# Allegro board LED_FIN.brd (continued)
## Routing (per net, layer and track width the routed paths; a pad name or vN(x,y) marks a point on that pad's centre or on a via; arc(x,y) is an arc through that point) (continued)
COL_OUT_B30: length 244.9
  TOP w0.15: D7890.1 v1(217.25,248.8) ; D7950.1 v1(217.25,244.8) ; D7560.1 v1(217.25,270.8) ; D7800.1 v1(217.25,254.8) ; D7350.1 v1(217.25,284.8) ; D7230.1 v1(217.25,292.8) ; D7050.1 v1(217.25,304.8) ; D7530.1 v1(217.25,272.8) ; D7920.1 v1(217.25,246.8) ; v1(216.55,128.8) 216.55,129.3 216.77,129.52 216.77,132.08 216.55,132.3 v1(216.55,132.8) ; D7170.1 v1(217.25,296.8) ; D6900.1 v1(217.25,314.8) ; D7290.1 v1(217.25,288.8) ; D7620.1 v1(217.25,266.8) ; D6930.1 v1(217.25,312.8) ; D7860.1 v1(217.25,250.8) ; D7020.1 v1(217.25,306.8) ; D7770.1 v1(217.25,256.8) ; D6990.1 v1(217.25,308.8) ; D7110.1 v1(217.25,300.8) ; D7710.1 v1(217.25,260.8) ; D7410.1 v1(217.25,280.8) ; D7440.1 v1(217.25,278.8) ; D6960.1 v1(217.25,310.8) ; D7740.1 v1(217.25,258.8) ; D7140.1 v1(217.25,298.8) ; D6870.1 v1(217.25,316.8) ; v1(216.55,99.8) R210.1 ; D7590.1 v1(217.25,268.8) ; D7260.1 v1(217.25,290.8) ; D7080.1 v1(217.25,302.8) ; D7680.1 v1(217.25,262.8) ; D7500.1 v1(217.25,274.8) ; D7320.1 v1(217.25,286.8) ; D7200.1 v1(217.25,294.8) ; D7650.1 v1(217.25,264.8) ; D7830.1 v1(217.25,252.8) ; D7380.1 v1(217.25,282.8) ; D7470.1 v1(217.25,276.8) ; D7980.1 v1(217.25,242.8)
  BOTTOM w0.15: v1(216.55,132.8) 216.55,242.1 v1(217.25,242.8) v1(217.25,244.8) v1(217.25,246.8) v1(217.25,248.8) v1(217.25,250.8) v1(217.25,252.8) v1(217.25,254.8) v1(217.25,256.8) v1(217.25,258.8) v1(217.25,260.8) v1(217.25,262.8) v1(217.25,264.8) v1(217.25,266.8) v1(217.25,268.8) v1(217.25,270.8) v1(217.25,272.8) v1(217.25,274.8) v1(217.25,276.8) v1(217.25,278.8) v1(217.25,280.8) v1(217.25,282.8) v1(217.25,284.8) v1(217.25,286.8) v1(217.25,288.8) v1(217.25,290.8) v1(217.25,292.8) v1(217.25,294.8) v1(217.25,296.8) v1(217.25,298.8) v1(217.25,300.8) v1(217.25,302.8) v1(217.25,304.8) v1(217.25,306.8) v1(217.25,308.8) v1(217.25,310.8) v1(217.25,312.8) v1(217.25,314.8) v1(217.25,316.8) ; v1(216.55,128.8) v1(216.55,99.8)
COL_OUT_B31: length 244.9
  TOP w0.15: D7859.1 v1(215.25,250.8) ; D7709.1 v1(215.25,260.8) ; D7439.1 v1(215.25,278.8) ; D7619.1 v1(215.25,266.8) ; D7259.1 v1(215.25,290.8) ; D7349.1 v1(215.25,284.8) ; D7049.1 v1(215.25,304.8) ; D6959.1 v1(215.25,310.8) ; D7499.1 v1(215.25,274.8) ; D7829.1 v1(215.25,252.8) ; D7529.1 v1(215.25,272.8) ; D7139.1 v1(215.25,298.8) ; D7409.1 v1(215.25,280.8) ; D7739.1 v1(215.25,258.8) ; D7649.1 v1(215.25,264.8) ; D7589.1 v1(215.25,268.8) ; D7679.1 v1(215.25,262.8) ; D6929.1 v1(215.25,312.8) ; D6869.1 v1(215.25,316.8) ; D7979.1 v1(215.25,242.8) ; D7169.1 v1(215.25,296.8) ; D7559.1 v1(215.25,270.8) ; D7379.1 v1(215.25,282.8) ; D7319.1 v1(215.25,286.8) ; D6989.1 v1(215.25,308.8) ; D7949.1 v1(215.25,244.8) ; v1(214.55,99.8) R209.1 ; D7769.1 v1(215.25,256.8) ; D7019.1 v1(215.25,306.8) ; D7919.1 v1(215.25,246.8) ; D7799.1 v1(215.25,254.8) ; D7469.1 v1(215.25,276.8) ; D7889.1 v1(215.25,248.8) ; D7109.1 v1(215.25,300.8) ; D7079.1 v1(215.25,302.8) ; D6899.1 v1(215.25,314.8) ; D7199.1 v1(215.25,294.8) ; D7229.1 v1(215.25,292.8) ; D7289.1 v1(215.25,288.8)
  BOTTOM w0.15: v1(214.55,99.8) 214.55,100.3 214.3,100.55 214.3,132.55 214.55,132.8 214.55,242.1 v1(215.25,242.8) v1(215.25,244.8) v1(215.25,246.8) v1(215.25,248.8) v1(215.25,250.8) v1(215.25,252.8) v1(215.25,254.8) v1(215.25,256.8) v1(215.25,258.8) v1(215.25,260.8) v1(215.25,262.8) v1(215.25,264.8) v1(215.25,266.8) v1(215.25,268.8) v1(215.25,270.8) v1(215.25,272.8) v1(215.25,274.8) v1(215.25,276.8) v1(215.25,278.8) v1(215.25,280.8) v1(215.25,282.8) v1(215.25,284.8) v1(215.25,286.8) v1(215.25,288.8) v1(215.25,290.8) v1(215.25,292.8) v1(215.25,294.8) v1(215.25,296.8) v1(215.25,298.8) v1(215.25,300.8) v1(215.25,302.8) v1(215.25,304.8) v1(215.25,306.8) v1(215.25,308.8) v1(215.25,310.8) v1(215.25,312.8) v1(215.25,314.8) v1(215.25,316.8)
COL_OUT_B32: length 245
  TOP w0.15: D7318.1 v1(213.25,286.8) ; D7978.1 v1(213.25,242.8) ; D7618.1 v1(213.25,266.8) ; D7828.1 v1(213.25,252.8) ; v1(212.55,128.8) 212.96,129.21 212.96,132.39 v1(212.55,132.8) ; D7948.1 v1(213.25,244.8) ; D7888.1 v1(213.25,248.8) ; D7768.1 v1(213.25,256.8) ; D7168.1 v1(213.25,296.8) ; D7258.1 v1(213.25,290.8) ; D7468.1 v1(213.25,276.8) ; D6988.1 v1(213.25,308.8) ; D7708.1 v1(213.25,260.8) ; D7498.1 v1(213.25,274.8) ; D6928.1 v1(213.25,312.8) ; D7018.1 v1(213.25,306.8) ; D7438.1 v1(213.25,278.8) ; D7288.1 v1(213.25,288.8) ; D7558.1 v1(213.25,270.8) ; D7528.1 v1(213.25,272.8) ; D7228.1 v1(213.25,292.8) ; D7078.1 v1(213.25,302.8) ; D7108.1 v1(213.25,300.8) ; D7738.1 v1(213.25,258.8) ; D7408.1 v1(213.25,280.8) ; v1(212.55,99.8) R208.1 ; D7348.1 v1(213.25,284.8) ; D6898.1 v1(213.25,314.8) ; D6958.1 v1(213.25,310.8) ; D7798.1 v1(213.25,254.8) ; D7648.1 v1(213.25,264.8) ; D7588.1 v1(213.25,268.8) ; D7198.1 v1(213.25,294.8) ; D7678.1 v1(213.25,262.8) ; D7378.1 v1(213.25,282.8) ; D7918.1 v1(213.25,246.8) ; D7858.1 v1(213.25,250.8) ; D7138.1 v1(213.25,298.8) ; D6868.1 v1(213.25,316.8) ; D7048.1 v1(213.25,304.8)
  BOTTOM w0.15: v1(212.55,128.8) v1(212.55,99.8) ; v1(213.25,316.8) v1(213.25,314.8) v1(213.25,312.8) v1(213.25,310.8) v1(213.25,308.8) v1(213.25,306.8) v1(213.25,304.8) v1(213.25,302.8) v1(213.25,300.8) v1(213.25,298.8) v1(213.25,296.8) v1(213.25,294.8) v1(213.25,292.8) v1(213.25,290.8) v1(213.25,288.8) v1(213.25,286.8) v1(213.25,284.8) v1(213.25,282.8) v1(213.25,280.8) v1(213.25,278.8) v1(213.25,276.8) v1(213.25,274.8) v1(213.25,272.8) v1(213.25,270.8) v1(213.25,268.8) v1(213.25,266.8) v1(213.25,264.8) v1(213.25,262.8) v1(213.25,260.8) v1(213.25,258.8) v1(213.25,256.8) v1(213.25,254.8) v1(213.25,252.8) v1(213.25,250.8) v1(213.25,248.8) v1(213.25,246.8) v1(213.25,244.8) v1(213.25,242.8) 212.55,242.1 v1(212.55,132.8)
COL_OUT_B33: length 244.7
  TOP w0.15: D6897.1 v1(211.25,314.8) ; D7197.1 v1(211.25,294.8) ; D7587.1 v1(211.25,268.8) ; D6987.1 v1(211.25,308.8) ; D7797.1 v1(211.25,254.8) ; D7137.1 v1(211.25,298.8) ; D6867.1 v1(211.25,316.8) ; D7887.1 v1(211.25,248.8) ; D7437.1 v1(211.25,278.8) ; D7557.1 v1(211.25,270.8) ; D7047.1 v1(211.25,304.8) ; D7257.1 v1(211.25,290.8) ; D7287.1 v1(211.25,288.8) ; D7347.1 v1(211.25,284.8) ; D7017.1 v1(211.25,306.8) ; D7377.1 v1(211.25,282.8) ; D7407.1 v1(211.25,280.8) ; D7107.1 v1(211.25,300.8) ; D7737.1 v1(211.25,258.8) ; D7677.1 v1(211.25,262.8) ; D7707.1 v1(211.25,260.8) ; D7827.1 v1(211.25,252.8) ; D7647.1 v1(211.25,264.8) ; D7497.1 v1(211.25,274.8) ; D7467.1 v1(211.25,276.8) ; D7617.1 v1(211.25,266.8) ; D7077.1 v1(211.25,302.8) ; D7317.1 v1(211.25,286.8) ; D7977.1 v1(211.25,242.8) ; D7857.1 v1(211.25,250.8) ; D7947.1 v1(211.25,244.8) ; D7767.1 v1(211.25,256.8) ; D6927.1 v1(211.25,312.8) ; D7527.1 v1(211.25,272.8) ; v1(210.55,99.8) R207.1 ; D6957.1 v1(211.25,310.8) ; D7917.1 v1(211.25,246.8) ; D7227.1 v1(211.25,292.8) ; D7167.1 v1(211.25,296.8)
  BOTTOM w0.15: v1(210.55,99.8) 210.49,99.86 210.49,242.04 v1(211.25,242.8) v1(211.25,244.8) v1(211.25,246.8) v1(211.25,248.8) v1(211.25,250.8) v1(211.25,252.8) v1(211.25,254.8) v1(211.25,256.8) v1(211.25,258.8) v1(211.25,260.8) v1(211.25,262.8) v1(211.25,264.8) v1(211.25,266.8) v1(211.25,268.8) v1(211.25,270.8) v1(211.25,272.8) v1(211.25,274.8) v1(211.25,276.8) v1(211.25,278.8) v1(211.25,280.8) v1(211.25,282.8) v1(211.25,284.8) v1(211.25,286.8) v1(211.25,288.8) v1(211.25,290.8) v1(211.25,292.8) v1(211.25,294.8) v1(211.25,296.8) v1(211.25,298.8) v1(211.25,300.8) v1(211.25,302.8) v1(211.25,304.8) v1(211.25,306.8) v1(211.25,308.8) v1(211.25,310.8) v1(211.25,312.8) v1(211.25,314.8) v1(211.25,316.8)
COL_OUT_B34: length 245.2
  TOP w0.15: D7496.1 v1(209.25,274.8) ; D7556.1 v1(209.25,270.8) ; D7256.1 v1(209.25,290.8) ; D7646.1 v1(209.25,264.8) ; D7886.1 v1(209.25,248.8) ; D7406.1 v1(209.25,280.8) ; D7226.1 v1(209.25,292.8) ; D7196.1 v1(209.25,294.8) ; D6926.1 v1(209.25,312.8) ; D7376.1 v1(209.25,282.8) ; D7706.1 v1(209.25,260.8) ; D7436.1 v1(209.25,278.8) ; D7676.1 v1(209.25,262.8) ; D7136.1 v1(209.25,298.8) ; D6956.1 v1(209.25,310.8) ; D7946.1 v1(209.25,244.8) ; D7286.1 v1(209.25,288.8) ; D7796.1 v1(209.25,254.8) ; D7166.1 v1(209.25,296.8) ; D7466.1 v1(209.25,276.8) ; D6896.1 v1(209.25,314.8) ; D7346.1 v1(209.25,284.8) ; D7526.1 v1(209.25,272.8) ; D7046.1 v1(209.25,304.8) ; D7106.1 v1(209.25,300.8) ; v1(208.55,99.8) R206.1 ; D7976.1 v1(209.25,242.8) ; D7856.1 v1(209.25,250.8) ; D7916.1 v1(209.25,246.8) ; D7076.1 v1(209.25,302.8) ; D7316.1 v1(209.25,286.8) ; D6866.1 v1(209.25,316.8) ; D7766.1 v1(209.25,256.8) ; D7826.1 v1(209.25,252.8) ; D7016.1 v1(209.25,306.8) ; D7616.1 v1(209.25,266.8) ; D7586.1 v1(209.25,268.8) ; D6986.1 v1(209.25,308.8) ; D7736.1 v1(209.25,258.8)
  BOTTOM w0.15: v1(208.55,99.8) 207.95,100.4 207.95,131.75 208.55,132.35 208.55,242.1 v1(209.25,242.8) v1(209.25,244.8) v1(209.25,246.8) v1(209.25,248.8) v1(209.25,250.8) v1(209.25,252.8) v1(209.25,254.8) v1(209.25,256.8) v1(209.25,258.8) v1(209.25,260.8) v1(209.25,262.8) v1(209.25,264.8) v1(209.25,266.8) v1(209.25,268.8) v1(209.25,270.8) v1(209.25,272.8) v1(209.25,274.8) v1(209.25,276.8) v1(209.25,278.8) v1(209.25,280.8) v1(209.25,282.8) v1(209.25,284.8) v1(209.25,286.8) v1(209.25,288.8) v1(209.25,290.8) v1(209.25,292.8) v1(209.25,294.8) v1(209.25,296.8) v1(209.25,298.8) v1(209.25,300.8) v1(209.25,302.8) v1(209.25,304.8) v1(209.25,306.8) v1(209.25,308.8) v1(209.25,310.8) v1(209.25,312.8) v1(209.25,314.8) v1(209.25,316.8)
COL_OUT_B35: length 244.7
  TOP w0.15: D7825.1 v1(207.25,252.8) ; D7165.1 v1(207.25,296.8) ; D7435.1 v1(207.25,278.8) ; D7525.1 v1(207.25,272.8) ; D7645.1 v1(207.25,264.8) ; D7885.1 v1(207.25,248.8) ; D7075.1 v1(207.25,302.8) ; v1(206.55,132.8) 206.61,132.74 206.61,128.86 v1(206.55,128.8) ; D6895.1 v1(207.25,314.8) ; D7315.1 v1(207.25,286.8) ; D7855.1 v1(207.25,250.8) ; D6925.1 v1(207.25,312.8) ; D7945.1 v1(207.25,244.8) ; D7405.1 v1(207.25,280.8) ; D7975.1 v1(207.25,242.8) ; D7705.1 v1(207.25,260.8) ; D7915.1 v1(207.25,246.8) ; D7735.1 v1(207.25,258.8) ; D7255.1 v1(207.25,290.8) ; D7765.1 v1(207.25,256.8) ; D7555.1 v1(207.25,270.8) ; D7495.1 v1(207.25,274.8) ; D7795.1 v1(207.25,254.8) ; D7045.1 v1(207.25,304.8) ; D7015.1 v1(207.25,306.8) ; D7465.1 v1(207.25,276.8) ; D7225.1 v1(207.25,292.8) ; D6955.1 v1(207.25,310.8) ; D7375.1 v1(207.25,282.8) ; D7285.1 v1(207.25,288.8) ; D7675.1 v1(207.25,262.8) ; D7585.1 v1(207.25,268.8) ; D7105.1 v1(207.25,300.8) ; D7135.1 v1(207.25,298.8) ; D6865.1 v1(207.25,316.8) ; D7345.1 v1(207.25,284.8) ; D6985.1 v1(207.25,308.8) ; v1(206.55,99.8) R205.1 ; D7195.1 v1(207.25,294.8) ; D7615.1 v1(207.25,266.8)
  BOTTOM w0.15: v1(206.55,128.8) v1(206.55,99.8) ; v1(207.25,316.8) v1(207.25,314.8) v1(207.25,312.8) v1(207.25,310.8) v1(207.25,308.8) v1(207.25,306.8) v1(207.25,304.8) v1(207.25,302.8) v1(207.25,300.8) v1(207.25,298.8) v1(207.25,296.8) v1(207.25,294.8) v1(207.25,292.8) v1(207.25,290.8) v1(207.25,288.8) v1(207.25,286.8) v1(207.25,284.8) v1(207.25,282.8) v1(207.25,280.8) v1(207.25,278.8) v1(207.25,276.8) v1(207.25,274.8) v1(207.25,272.8) v1(207.25,270.8) v1(207.25,268.8) v1(207.25,266.8) v1(207.25,264.8) v1(207.25,262.8) v1(207.25,260.8) v1(207.25,258.8) v1(207.25,256.8) v1(207.25,254.8) v1(207.25,252.8) v1(207.25,250.8) v1(207.25,248.8) v1(207.25,246.8) v1(207.25,244.8) v1(207.25,242.8) 206.55,242.1 v1(206.55,132.8)
COL_OUT_B36: length 245
  TOP w0.15: D7494.1 v1(205.25,274.8) ; D7074.1 v1(205.25,302.8) ; D6954.1 v1(205.25,310.8) ; D7374.1 v1(205.25,282.8) ; D6894.1 v1(205.25,314.8) ; D7614.1 v1(205.25,266.8) ; D7254.1 v1(205.25,290.8) ; D7584.1 v1(205.25,268.8) ; D7464.1 v1(205.25,276.8) ; D7824.1 v1(205.25,252.8) ; D7704.1 v1(205.25,260.8) ; D7164.1 v1(205.25,296.8) ; D6984.1 v1(205.25,308.8) ; D7884.1 v1(205.25,248.8) ; D7734.1 v1(205.25,258.8) ; D7044.1 v1(205.25,304.8) ; D7224.1 v1(205.25,292.8) ; D7674.1 v1(205.25,262.8) ; v1(204.55,99.8) R204.1 ; D7104.1 v1(205.25,300.8) ; D7404.1 v1(205.25,280.8) ; D7014.1 v1(205.25,306.8) ; D7344.1 v1(205.25,284.8) ; D7794.1 v1(205.25,254.8) ; D7134.1 v1(205.25,298.8) ; D7524.1 v1(205.25,272.8) ; D7764.1 v1(205.25,256.8) ; D7854.1 v1(205.25,250.8) ; D7944.1 v1(205.25,244.8) ; D7194.1 v1(205.25,294.8) ; D7434.1 v1(205.25,278.8) ; D7284.1 v1(205.25,288.8) ; D6924.1 v1(205.25,312.8) ; D7974.1 v1(205.25,242.8) ; D7644.1 v1(205.25,264.8) ; D7914.1 v1(205.25,246.8) ; D6864.1 v1(205.25,316.8) ; D7554.1 v1(205.25,270.8) ; D7314.1 v1(205.25,286.8)
  BOTTOM w0.15: v1(204.55,99.8) 204.14,100.21 204.14,131.75 204.55,132.16 204.55,242.1 v1(205.25,242.8) v1(205.25,244.8) v1(205.25,246.8) v1(205.25,248.8) v1(205.25,250.8) v1(205.25,252.8) v1(205.25,254.8) v1(205.25,256.8) v1(205.25,258.8) v1(205.25,260.8) v1(205.25,262.8) v1(205.25,264.8) v1(205.25,266.8) v1(205.25,268.8) v1(205.25,270.8) v1(205.25,272.8) v1(205.25,274.8) v1(205.25,276.8) v1(205.25,278.8) v1(205.25,280.8) v1(205.25,282.8) v1(205.25,284.8) v1(205.25,286.8) v1(205.25,288.8) v1(205.25,290.8) v1(205.25,292.8) v1(205.25,294.8) v1(205.25,296.8) v1(205.25,298.8) v1(205.25,300.8) v1(205.25,302.8) v1(205.25,304.8) v1(205.25,306.8) v1(205.25,308.8) v1(205.25,310.8) v1(205.25,312.8) v1(205.25,314.8) v1(205.25,316.8)
COL_OUT_B37: length 244.9
  TOP w0.15: D7973.1 v1(203.25,242.8) ; D6983.1 v1(203.25,308.8) ; D7883.1 v1(203.25,248.8) ; D7043.1 v1(203.25,304.8) ; v1(202.55,128.8) 202.55,129.3 202.8,129.55 202.8,132.05 202.55,132.3 v1(202.55,132.8) ; D6953.1 v1(203.25,310.8) ; D6923.1 v1(203.25,312.8) ; D7553.1 v1(203.25,270.8) ; D7853.1 v1(203.25,250.8) ; D7943.1 v1(203.25,244.8) ; D7283.1 v1(203.25,288.8) ; D7673.1 v1(203.25,262.8) ; D7133.1 v1(203.25,298.8) ; D7013.1 v1(203.25,306.8) ; D7793.1 v1(203.25,254.8) ; D6893.1 v1(203.25,314.8) ; D7103.1 v1(203.25,300.8) ; D7163.1 v1(203.25,296.8) ; D7253.1 v1(203.25,290.8) ; D7463.1 v1(203.25,276.8) ; D7433.1 v1(203.25,278.8) ; D7733.1 v1(203.25,258.8) ; D7913.1 v1(203.25,246.8) ; D7613.1 v1(203.25,266.8) ; D7313.1 v1(203.25,286.8) ; D7823.1 v1(203.25,252.8) ; v1(202.55,99.8) R203.1 ; D7643.1 v1(203.25,264.8) ; D6863.1 v1(203.25,316.8) ; D7403.1 v1(203.25,280.8) ; D7493.1 v1(203.25,274.8) ; D7343.1 v1(203.25,284.8) ; D7073.1 v1(203.25,302.8) ; D7193.1 v1(203.25,294.8) ; D7763.1 v1(203.25,256.8) ; D7703.1 v1(203.25,260.8) ; D7223.1 v1(203.25,292.8) ; D7583.1 v1(203.25,268.8) ; D7523.1 v1(203.25,272.8) ; D7373.1 v1(203.25,282.8)
  BOTTOM w0.15: v1(203.25,316.8) v1(203.25,314.8) v1(203.25,312.8) v1(203.25,310.8) v1(203.25,308.8) v1(203.25,306.8) v1(203.25,304.8) v1(203.25,302.8) v1(203.25,300.8) v1(203.25,298.8) v1(203.25,296.8) v1(203.25,294.8) v1(203.25,292.8) v1(203.25,290.8) v1(203.25,288.8) v1(203.25,286.8) v1(203.25,284.8) v1(203.25,282.8) v1(203.25,280.8) v1(203.25,278.8) v1(203.25,276.8) v1(203.25,274.8) v1(203.25,272.8) v1(203.25,270.8) v1(203.25,268.8) v1(203.25,266.8) v1(203.25,264.8) v1(203.25,262.8) v1(203.25,260.8) v1(203.25,258.8) v1(203.25,256.8) v1(203.25,254.8) v1(203.25,252.8) v1(203.25,250.8) v1(203.25,248.8) v1(203.25,246.8) v1(203.25,244.8) v1(203.25,242.8) 202.55,242.1 v1(202.55,132.8) ; v1(202.55,128.8) v1(202.55,99.8)
COL_OUT_B38: length 244.9
  TOP w0.15: D7672.1 v1(201.25,262.8) ; D6862.1 v1(201.25,316.8) ; D7342.1 v1(201.25,284.8) ; D7162.1 v1(201.25,296.8) ; D7762.1 v1(201.25,256.8) ; D6982.1 v1(201.25,308.8) ; D7402.1 v1(201.25,280.8) ; D7312.1 v1(201.25,286.8) ; D7792.1 v1(201.25,254.8) ; D7942.1 v1(201.25,244.8) ; D7642.1 v1(201.25,264.8) ; D7072.1 v1(201.25,302.8) ; D7702.1 v1(201.25,260.8) ; D7252.1 v1(201.25,290.8) ; D7912.1 v1(201.25,246.8) ; D7492.1 v1(201.25,274.8) ; D7432.1 v1(201.25,278.8) ; D6892.1 v1(201.25,314.8) ; D7042.1 v1(201.25,304.8) ; D7282.1 v1(201.25,288.8) ; D7582.1 v1(201.25,268.8) ; D7132.1 v1(201.25,298.8) ; D7462.1 v1(201.25,276.8) ; D7882.1 v1(201.25,248.8) ; v1(200.55,99.8) R202.1 ; D7822.1 v1(201.25,252.8) ; D7522.1 v1(201.25,272.8) ; D7972.1 v1(201.25,242.8) ; D7852.1 v1(201.25,250.8) ; D7102.1 v1(201.25,300.8) ; D7012.1 v1(201.25,306.8) ; D7372.1 v1(201.25,282.8) ; D7552.1 v1(201.25,270.8) ; D6922.1 v1(201.25,312.8) ; D6952.1 v1(201.25,310.8) ; D7612.1 v1(201.25,266.8) ; D7222.1 v1(201.25,292.8) ; D7732.1 v1(201.25,258.8) ; D7192.1 v1(201.25,294.8)
  BOTTOM w0.15: v1(200.55,99.8) 200.55,100.3 200.33,100.52 200.33,131.75 200.55,131.97 200.55,242.1 v1(201.25,242.8) v1(201.25,244.8) v1(201.25,246.8) v1(201.25,248.8) v1(201.25,250.8) v1(201.25,252.8) v1(201.25,254.8) v1(201.25,256.8) v1(201.25,258.8) v1(201.25,260.8) v1(201.25,262.8) v1(201.25,264.8) v1(201.25,266.8) v1(201.25,268.8) v1(201.25,270.8) v1(201.25,272.8) v1(201.25,274.8) v1(201.25,276.8) v1(201.25,278.8) v1(201.25,280.8) v1(201.25,282.8) v1(201.25,284.8) v1(201.25,286.8) v1(201.25,288.8) v1(201.25,290.8) v1(201.25,292.8) v1(201.25,294.8) v1(201.25,296.8) v1(201.25,298.8) v1(201.25,300.8) v1(201.25,302.8) v1(201.25,304.8) v1(201.25,306.8) v1(201.25,308.8) v1(201.25,310.8) v1(201.25,312.8) v1(201.25,314.8) v1(201.25,316.8)
COL_OUT_B39: length 245.1
  TOP w0.15: v1(198.55,132.8) 198.99,132.36 198.99,129.24 v1(198.55,128.8) ; D6951.1 v1(199.25,310.8) ; D7131.1 v1(199.25,298.8) ; D7371.1 v1(199.25,282.8) ; D7341.1 v1(199.25,284.8) ; D7611.1 v1(199.25,266.8) ; D7491.1 v1(199.25,274.8) ; D6981.1 v1(199.25,308.8) ; D7221.1 v1(199.25,292.8) ; D7821.1 v1(199.25,252.8) ; D7791.1 v1(199.25,254.8) ; D7551.1 v1(199.25,270.8) ; D6861.1 v1(199.25,316.8) ; D7311.1 v1(199.25,286.8) ; v1(198.55,99.8) R201.1 ; D7191.1 v1(199.25,294.8) ; D7761.1 v1(199.25,256.8) ; D7011.1 v1(199.25,306.8) ; D7401.1 v1(199.25,280.8) ; D7851.1 v1(199.25,250.8) ; D7581.1 v1(199.25,268.8) ; D7731.1 v1(199.25,258.8) ; D7671.1 v1(199.25,262.8) ; D7881.1 v1(199.25,248.8) ; D7641.1 v1(199.25,264.8) ; D7431.1 v1(199.25,278.8) ; D6891.1 v1(199.25,314.8) ; D7911.1 v1(199.25,246.8) ; D7251.1 v1(199.25,290.8) ; D7971.1 v1(199.25,242.8) ; D7071.1 v1(199.25,302.8) ; D7521.1 v1(199.25,272.8) ; D7701.1 v1(199.25,260.8) ; D7941.1 v1(199.25,244.8) ; D7281.1 v1(199.25,288.8) ; D6921.1 v1(199.25,312.8) ; D7101.1 v1(199.25,300.8) ; D7161.1 v1(199.25,296.8) ; D7461.1 v1(199.25,276.8) ; D7041.1 v1(199.25,304.8)
  BOTTOM w0.15: v1(199.25,316.8) v1(199.25,314.8) v1(199.25,312.8) v1(199.25,310.8) v1(199.25,308.8) v1(199.25,306.8) v1(199.25,304.8) v1(199.25,302.8) v1(199.25,300.8) v1(199.25,298.8) v1(199.25,296.8) v1(199.25,294.8) v1(199.25,292.8) v1(199.25,290.8) v1(199.25,288.8) v1(199.25,286.8) v1(199.25,284.8) v1(199.25,282.8) v1(199.25,280.8) v1(199.25,278.8) v1(199.25,276.8) v1(199.25,274.8) v1(199.25,272.8) v1(199.25,270.8) v1(199.25,268.8) v1(199.25,266.8) v1(199.25,264.8) v1(199.25,262.8) v1(199.25,260.8) v1(199.25,258.8) v1(199.25,256.8) v1(199.25,254.8) v1(199.25,252.8) v1(199.25,250.8) v1(199.25,248.8) v1(199.25,246.8) v1(199.25,244.8) v1(199.25,242.8) 198.55,242.1 v1(198.55,132.8) ; v1(198.55,128.8) v1(198.55,99.8)
COL_OUT_B40: length 244.7
  TOP w0.15: D7220.1 v1(197.25,292.8) ; D6950.1 v1(197.25,310.8) ; D6920.1 v1(197.25,312.8) ; D7070.1 v1(197.25,302.8) ; D7760.1 v1(197.25,256.8) ; D7490.1 v1(197.25,274.8) ; D7850.1 v1(197.25,250.8) ; D7130.1 v1(197.25,298.8) ; D7580.1 v1(197.25,268.8) ; D7100.1 v1(197.25,300.8) ; D7640.1 v1(197.25,264.8) ; D7040.1 v1(197.25,304.8) ; D7730.1 v1(197.25,258.8) ; D7340.1 v1(197.25,284.8) ; D7970.1 v1(197.25,242.8) ; D7820.1 v1(197.25,252.8) ; D7160.1 v1(197.25,296.8) ; D7670.1 v1(197.25,262.8) ; D7370.1 v1(197.25,282.8) ; D7550.1 v1(197.25,270.8) ; D6890.1 v1(197.25,314.8) ; D7610.1 v1(197.25,266.8) ; D6860.1 v1(197.25,316.8) ; D7010.1 v1(197.25,306.8) ; D7910.1 v1(197.25,246.8) ; D7880.1 v1(197.25,248.8) ; D7430.1 v1(197.25,278.8) ; D7400.1 v1(197.25,280.8) ; D7790.1 v1(197.25,254.8) ; D7190.1 v1(197.25,294.8) ; D7940.1 v1(197.25,244.8) ; D7250.1 v1(197.25,290.8) ; D7460.1 v1(197.25,276.8) ; D7310.1 v1(197.25,286.8) ; D7520.1 v1(197.25,272.8) ; D7700.1 v1(197.25,260.8) ; D6980.1 v1(197.25,308.8) ; D7280.1 v1(197.25,288.8) ; v1(196.55,99.8) R200.1
  BOTTOM w0.15: v1(196.55,99.8) 196.52,99.83 196.52,242.07 v1(197.25,242.8) v1(197.25,244.8) v1(197.25,246.8) v1(197.25,248.8) v1(197.25,250.8) v1(197.25,252.8) v1(197.25,254.8) v1(197.25,256.8) v1(197.25,258.8) v1(197.25,260.8) v1(197.25,262.8) v1(197.25,264.8) v1(197.25,266.8) v1(197.25,268.8) v1(197.25,270.8) v1(197.25,272.8) v1(197.25,274.8) v1(197.25,276.8) v1(197.25,278.8) v1(197.25,280.8) v1(197.25,282.8) v1(197.25,284.8) v1(197.25,286.8) v1(197.25,288.8) v1(197.25,290.8) v1(197.25,292.8) v1(197.25,294.8) v1(197.25,296.8) v1(197.25,298.8) v1(197.25,300.8) v1(197.25,302.8) v1(197.25,304.8) v1(197.25,306.8) v1(197.25,308.8) v1(197.25,310.8) v1(197.25,312.8) v1(197.25,314.8) v1(197.25,316.8)
COL_OUT_B41: length 245.2
  TOP w0.15: D7159.1 v1(195.25,296.8) ; D7879.1 v1(195.25,248.8) ; D7189.1 v1(195.25,294.8) ; D6949.1 v1(195.25,310.8) ; D7909.1 v1(195.25,246.8) ; D7009.1 v1(195.25,306.8) ; D7279.1 v1(195.25,288.8) ; D7939.1 v1(195.25,244.8) ; D7759.1 v1(195.25,256.8) ; D7969.1 v1(195.25,242.8) ; D7789.1 v1(195.25,254.8) ; D7339.1 v1(195.25,284.8) ; D7039.1 v1(195.25,304.8) ; D7669.1 v1(195.25,262.8) ; D7459.1 v1(195.25,276.8) ; D6889.1 v1(195.25,314.8) ; D7549.1 v1(195.25,270.8) ; D6859.1 v1(195.25,316.8) ; D7069.1 v1(195.25,302.8) ; D7849.1 v1(195.25,250.8) ; D7819.1 v1(195.25,252.8) ; D7729.1 v1(195.25,258.8) ; D6979.1 v1(195.25,308.8) ; D7249.1 v1(195.25,290.8) ; D7609.1 v1(195.25,266.8) ; D7429.1 v1(195.25,278.8) ; D7099.1 v1(195.25,300.8) ; D7639.1 v1(195.25,264.8) ; D7699.1 v1(195.25,260.8) ; v1(194.55,99.8) R199.1 ; D7399.1 v1(195.25,280.8) ; D7219.1 v1(195.25,292.8) ; D6919.1 v1(195.25,312.8) ; D7579.1 v1(195.25,268.8) ; D7489.1 v1(195.25,274.8) ; D7309.1 v1(195.25,286.8) ; D7129.1 v1(195.25,298.8) ; D7369.1 v1(195.25,282.8) ; D7519.1 v1(195.25,272.8)
  BOTTOM w0.15: v1(195.25,316.8) v1(195.25,314.8) v1(195.25,312.8) v1(195.25,310.8) v1(195.25,308.8) v1(195.25,306.8) v1(195.25,304.8) v1(195.25,302.8) v1(195.25,300.8) v1(195.25,298.8) v1(195.25,296.8) v1(195.25,294.8) v1(195.25,292.8) v1(195.25,290.8) v1(195.25,288.8) v1(195.25,286.8) v1(195.25,284.8) v1(195.25,282.8) v1(195.25,280.8) v1(195.25,278.8) v1(195.25,276.8) v1(195.25,274.8) v1(195.25,272.8) v1(195.25,270.8) v1(195.25,268.8) v1(195.25,266.8) v1(195.25,264.8) v1(195.25,262.8) v1(195.25,260.8) v1(195.25,258.8) v1(195.25,256.8) v1(195.25,254.8) v1(195.25,252.8) v1(195.25,250.8) v1(195.25,248.8) v1(195.25,246.8) v1(195.25,244.8) v1(195.25,242.8) 194.55,242.1 194.55,132.8 193.98,132.23 193.98,100.37 v1(194.55,99.8)
COL_OUT_B42: length 244.8
  TOP w0.15: D7938.1 v1(193.25,244.8) ; D7428.1 v1(193.25,278.8) ; D7278.1 v1(193.25,288.8) ; D7908.1 v1(193.25,246.8) ; D7008.1 v1(193.25,306.8) ; D7308.1 v1(193.25,286.8) ; D7668.1 v1(193.25,262.8) ; D7188.1 v1(193.25,294.8) ; D7608.1 v1(193.25,266.8) ; D7518.1 v1(193.25,272.8) ; D7368.1 v1(193.25,282.8) ; D7338.1 v1(193.25,284.8) ; D7878.1 v1(193.25,248.8) ; D6948.1 v1(193.25,310.8) ; v1(192.55,128.8) 192.64,128.89 192.64,132.71 v1(192.55,132.8) ; D7218.1 v1(193.25,292.8) ; D7758.1 v1(193.25,256.8) ; D6858.1 v1(193.25,316.8) ; D7968.1 v1(193.25,242.8) ; D7848.1 v1(193.25,250.8) ; D7398.1 v1(193.25,280.8) ; D6978.1 v1(193.25,308.8) ; D6918.1 v1(193.25,312.8) ; D7128.1 v1(193.25,298.8) ; D7548.1 v1(193.25,270.8) ; D7248.1 v1(193.25,290.8) ; D6888.1 v1(193.25,314.8) ; D7638.1 v1(193.25,264.8) ; v1(192.55,99.8) R198.1 ; D7098.1 v1(193.25,300.8) ; D7158.1 v1(193.25,296.8) ; D7578.1 v1(193.25,268.8) ; D7728.1 v1(193.25,258.8) ; D7698.1 v1(193.25,260.8) ; D7068.1 v1(193.25,302.8) ; D7818.1 v1(193.25,252.8) ; D7038.1 v1(193.25,304.8) ; D7788.1 v1(193.25,254.8) ; D7458.1 v1(193.25,276.8) ; D7488.1 v1(193.25,274.8)
  BOTTOM w0.15: v1(192.55,132.8) 192.55,242.1 v1(193.25,242.8) v1(193.25,244.8) v1(193.25,246.8) v1(193.25,248.8) v1(193.25,250.8) v1(193.25,252.8) v1(193.25,254.8) v1(193.25,256.8) v1(193.25,258.8) v1(193.25,260.8) v1(193.25,262.8) v1(193.25,264.8) v1(193.25,266.8) v1(193.25,268.8) v1(193.25,270.8) v1(193.25,272.8) v1(193.25,274.8) v1(193.25,276.8) v1(193.25,278.8) v1(193.25,280.8) v1(193.25,282.8) v1(193.25,284.8) v1(193.25,286.8) v1(193.25,288.8) v1(193.25,290.8) v1(193.25,292.8) v1(193.25,294.8) v1(193.25,296.8) v1(193.25,298.8) v1(193.25,300.8) v1(193.25,302.8) v1(193.25,304.8) v1(193.25,306.8) v1(193.25,308.8) v1(193.25,310.8) v1(193.25,312.8) v1(193.25,314.8) v1(193.25,316.8) ; v1(192.55,128.8) v1(192.55,99.8)
COL_OUT_B43: length 245
  TOP w0.15: D7757.1 v1(191.25,256.8) ; D7247.1 v1(191.25,290.8) ; D7337.1 v1(191.25,284.8) ; D7577.1 v1(191.25,268.8) ; D7967.1 v1(191.25,242.8) ; D7187.1 v1(191.25,294.8) ; D6977.1 v1(191.25,308.8) ; D7427.1 v1(191.25,278.8) ; D7847.1 v1(191.25,250.8) ; D7517.1 v1(191.25,272.8) ; D7607.1 v1(191.25,266.8) ; D7727.1 v1(191.25,258.8) ; D7667.1 v1(191.25,262.8) ; D7007.1 v1(191.25,306.8) ; v1(190.55,99.8) R197.1 ; D7637.1 v1(191.25,264.8) ; D7157.1 v1(191.25,296.8) ; D7307.1 v1(191.25,286.8) ; D7457.1 v1(191.25,276.8) ; D7907.1 v1(191.25,246.8) ; D7547.1 v1(191.25,270.8) ; D6887.1 v1(191.25,314.8) ; D7067.1 v1(191.25,302.8) ; D7217.1 v1(191.25,292.8) ; D7367.1 v1(191.25,282.8) ; D7487.1 v1(191.25,274.8) ; D7097.1 v1(191.25,300.8) ; D7277.1 v1(191.25,288.8) ; D7037.1 v1(191.25,304.8) ; D6857.1 v1(191.25,316.8) ; D7127.1 v1(191.25,298.8) ; D7397.1 v1(191.25,280.8) ; D6947.1 v1(191.25,310.8) ; D7937.1 v1(191.25,244.8) ; D7817.1 v1(191.25,252.8) ; D7877.1 v1(191.25,248.8) ; D7697.1 v1(191.25,260.8) ; D7787.1 v1(191.25,254.8) ; D6917.1 v1(191.25,312.8)